# Altium PCB master.PcbDoc (part 7 of 10) (continued)
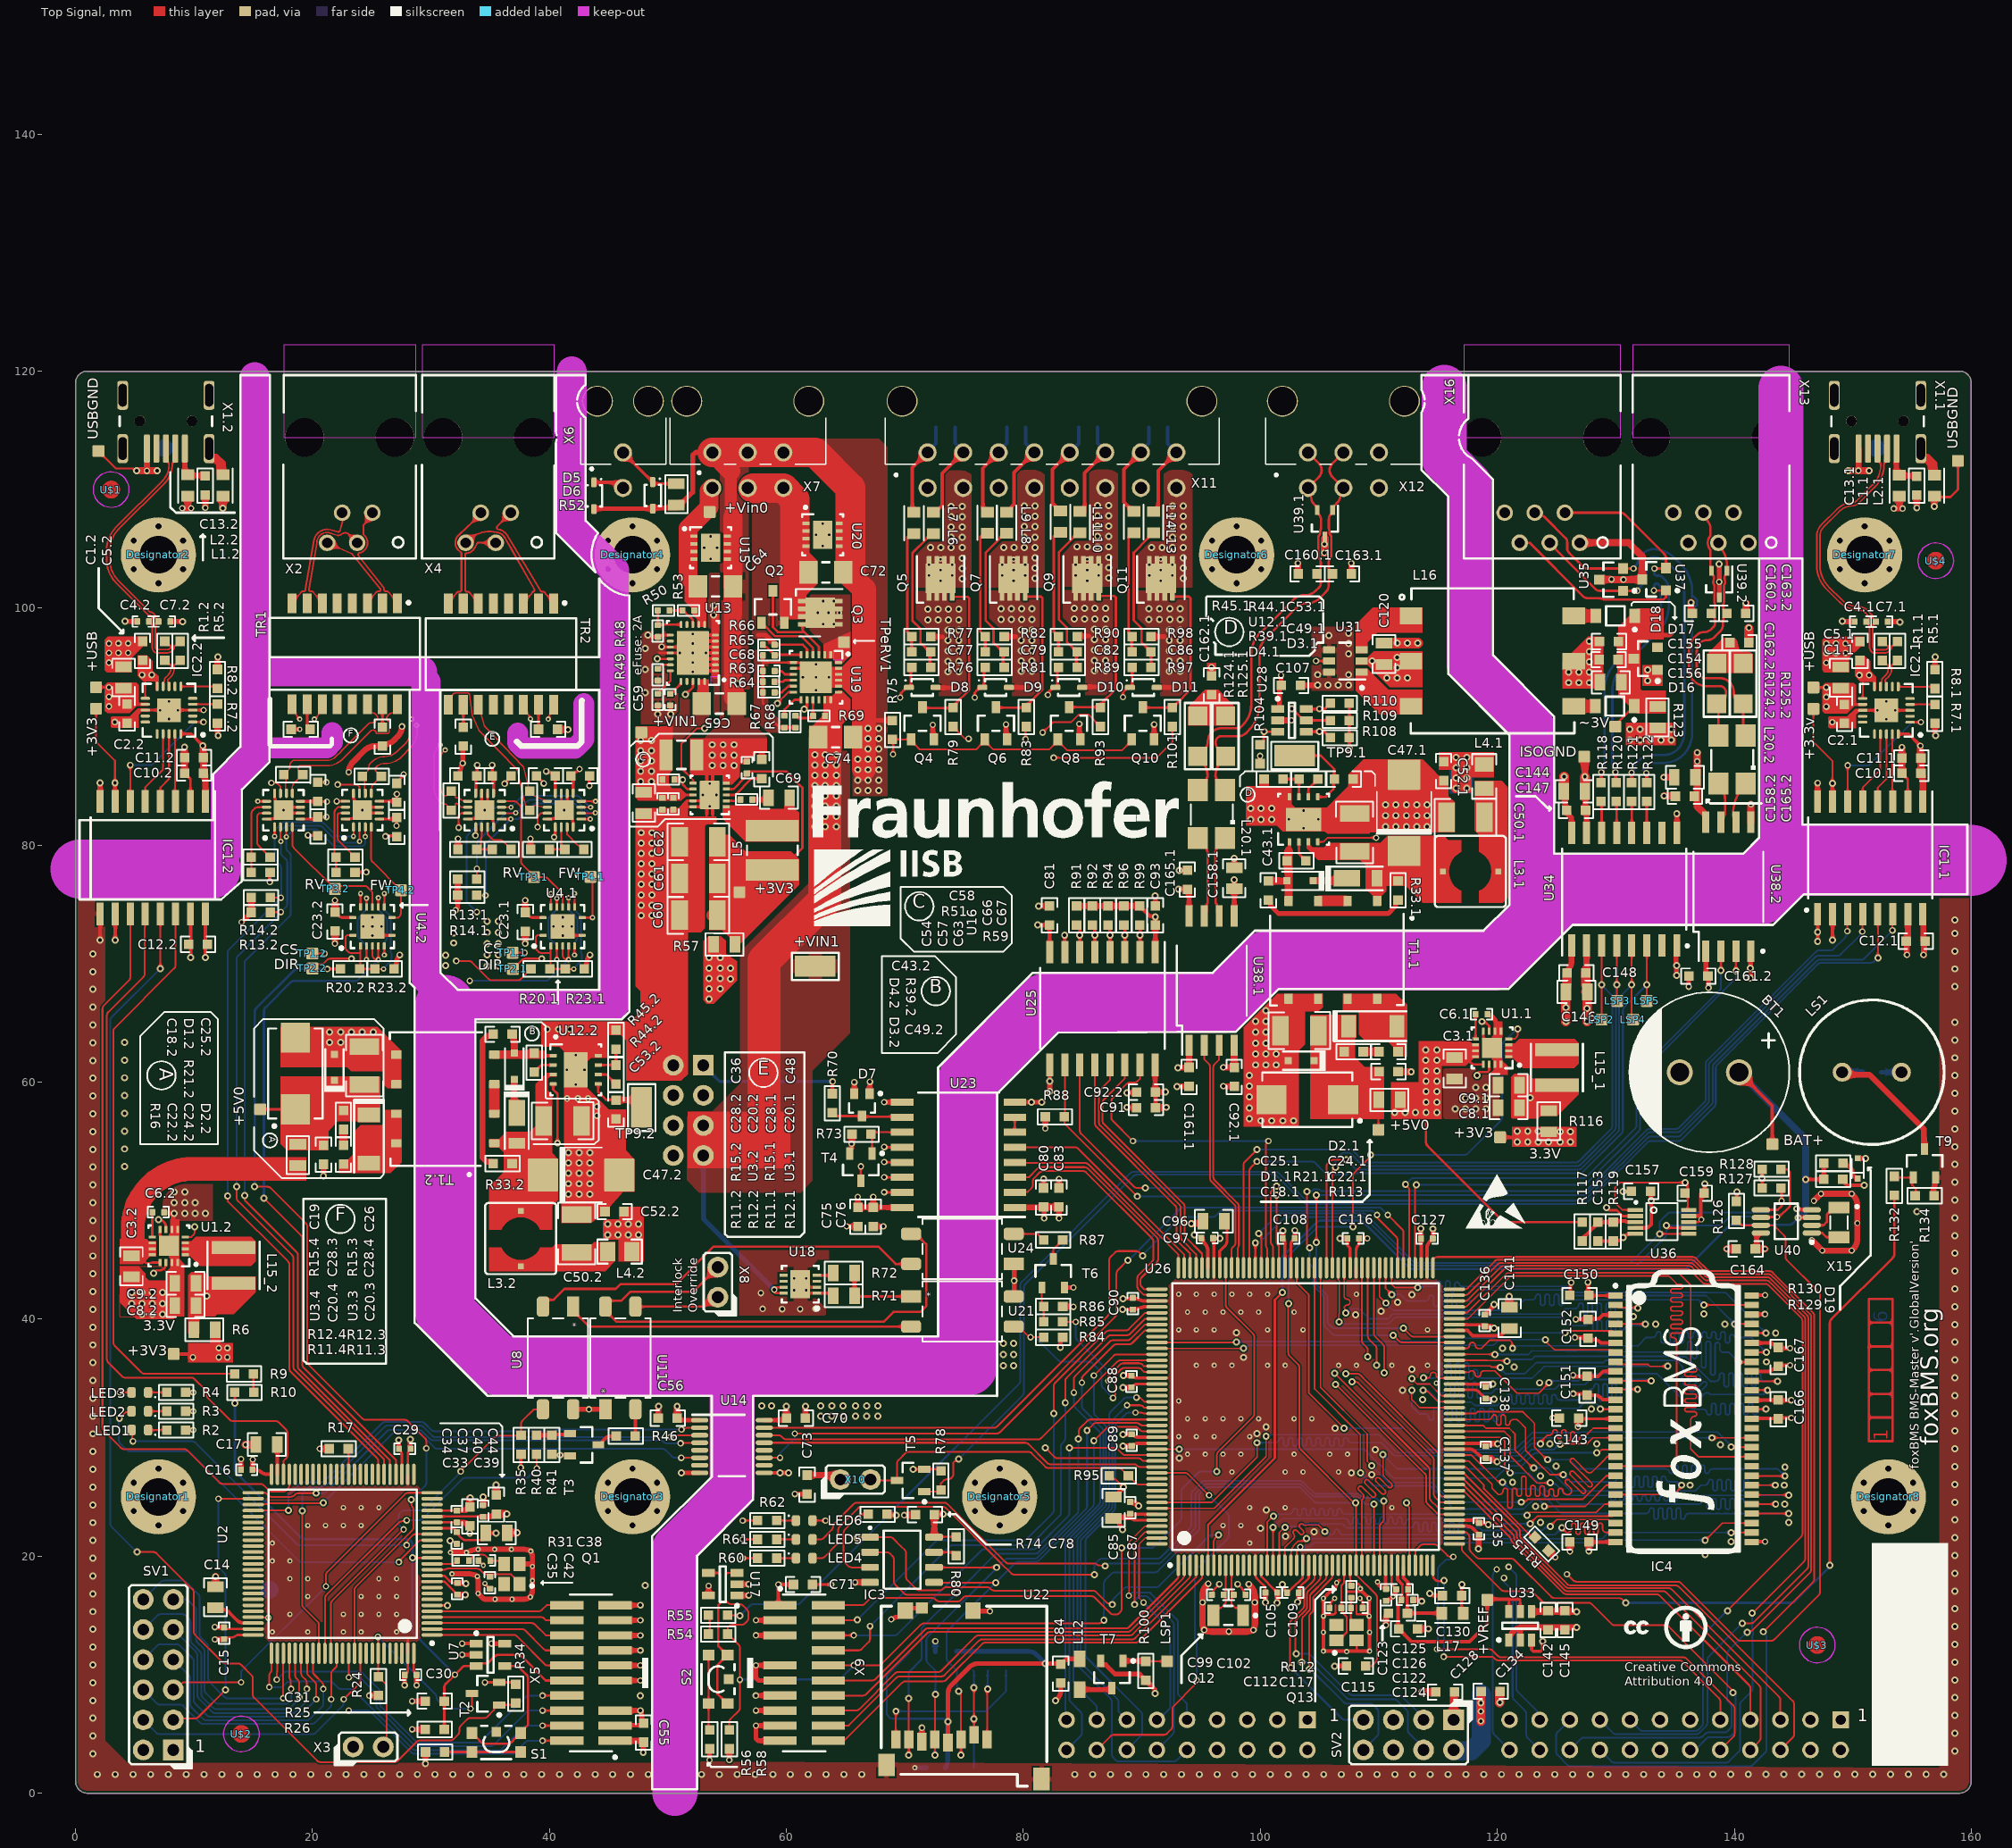
[diagram p0: Top Signal view]
## Nets (pads, with @x,y where several pads share a name; then routed paths per layer and width w, separated by ;. In a path a pad name is that pad's centre, name@x,y a point inside that pad or via, vN(x,y) a via of type N, cw(c..) or ccw(c..) an arc to the next point about the centre after c; other vN are vias at no path point) (continued)
  Top Signal w0.5: v2(37.955,71.697) C23.1.1@37.955,72.725 ; v1(61.593,32.65) 61.593,31.895 ccw(c62.843,31.895) 61.593,31.855 C70.1@61.6,31.646 ; v4(65.786,17.789) IC3.4@67.015,17.789 ; v4(69.931,23.462) C78.1@70.913,23.462 ; v1(88.75,59.1) cw(c88.968,57.869) 88.968,59.119 89.274,59.119 ccw(c89.274,60.369) 89.509,59.141 C92.2.1@89.55,59.15 ; C87.2@89.002,24.579 cw(c88.867,23.336) 89.7,24.268 89.711,24.258 v1(89.712,24.257) ; v1(92.966,59.625) cw(c93.138,58.387) 93.138,59.637 93.813,59.637 ccw(c93.813,60.887) 93.94,59.644 C161.1.1@93.983,59.648 ; v2@96.923,61.249 97.594,61.249 cw(c97.594,59.999) 97.742,61.24 97.793,61.234 C92.1.1@97.794,61.233 U38.1.4@97.794,63.115 ; v4(110.583,14.178) 110.583,14.656 cw(c111.833,14.656) 110.626,14.98 C122.2@110.636,15.017 ; C124.2@113.271,13.868 v4@114.173,13.868 ; v1(118.413,20.635) C135.2@118.413,21.61 ; C137.2@119.024,28.27 119.487,28.27 ; 119.487,28.269 ccw(c120.36,29.164) v1(119.967,27.978) ; U33.1@120.979,12.932 121.06,13.177 cw(c122.247,12.783) 121.929,13.992 ; U33.2@121.929,12.932 121.929,13.992 ; R115.1@124.313,20.468 v4(124.877,19.904) ; v4(124.668,31.664) C143.2@125.31,31.664 ; v4(126.132,20.4) C149.2@126.132,21.133 ; v1(126.676,13.992) 121.929,13.992 ; C148.2@127.531,69.288 U34.2@127.531,71.533 ; v7(146.546,46.666) v7(147.426,45.786) v7(149.906,45.786) 150.02,45.9 ccw(c149.136,46.784) 150.386,46.784 v7(150.386,48.106) 150.386,49.589 ccw(c149.136,49.589) 150.02,50.473 v7(149.906,50.586) 147.316,50.586 v7(146.71,49.981) ; C12.1.2@154.396,71.9 154.645,72.149 IC1.1.15@154.645,74.177 ; C12.1.2@154.505,71.9 C12.1.2@154.505,71.9 154.519,71.855 cw(c153.312,71.527) 154.562,71.527 v2(154.562,70.75) ; R134.1@156.789,50.445 156.789,50.65 cw(c158.039,50.65) 156.824,50.945 156.97,51.544 ccw(c155.755,51.84) 157.005,51.842 T9.S@157.005,51.955
  Top Signal w0.55: v2(95.598,17.672) 95.511,17.585 ccw(c96.483,16.613) 95.108,16.613 95.108,16.104 95.108,14.375 ccw(c96.483,14.375) v2(95.245,13.778) ccw(c95.842,15.016) 95.842,13.641 v2(97.341,13.641) 98.862,13.641 ccw(c98.862,15.016) 99.377,13.741 99.418,13.758 v2(99.419,13.759) 99.42,13.761 ccw(c98.162,14.316) 99.537,14.318 v2(99.537,16.104) 99.537,16.546 ccw(c98.162,16.546) 99.134,17.518 v2(99.018,17.635)
  Top Signal w0.6: v1(94.161,48.064) cw(c94.259,46.567) 94.259,48.067 94.428,48.067 ccw(c94.428,49.567) C96.2@95.163,48.26 ; 100.751,65.296 cw(c100.277,63.873) C25.1.2@101.701,64.346 ; C22.1.2@111.621,60.883 ccw(c111.766,62.376) 111.766,60.876 v1(112.73,60.876) ; v1(113.618,8.534) C128.2@114.87,8.534 ; C141.2@120.992,41.115 v1(120.992,41.924) ; v7(139.337,45.93) C164.2@140.162,45.93
  Top Signal w0.8: v1(120.204,7.651) C134.1@120.204,8.572 ; C146.2@127.472,67.618 127.567,67.713 127.575,67.705 v1(127.575,66.218) ; C146.2@127.472,68.212 C148.2@127.472,69.228 ; v1(127.567,65.112) 127.567,67.374 cw(c129.567,67.374) 127.575,67.551 C146.2@127.582,67.618 C146.2@127.582,67.618
  Inner Signal w0.4: v3(18.925,89.775) 21.937,89.775 cw(c21.936,88.775) 22.644,89.481 22.649,89.476 cw(c21.944,88.767) 22.652,89.473 24.645,87.48 ccw(c25.351,88.189) 25.351,87.189 29.408,87.189 cw(c29.407,86.189) 30.115,86.895 30.12,86.89 cw(c29.415,86.181) 30.123,86.887 30.27,86.74 ccw(c30.976,87.449) 30.976,86.449 31.761,86.449 ccw(c31.761,87.449) 32.468,86.741 32.486,86.76 cw(c33.194,86.053) v2(32.675,86.908)
  Bottom Signal w0.4: v3(70.831,2.141) C181.2@71.803,2.141 ; R142.1@72.565,11.946 v2(72.565,12.825)
  other v1: 52.843,1.575 54.343,1.575 55.843,1.575 57.343,1.575 58.843,1.575 60.343,1.575 61.843,1.575 63.343,1.575 64.843,1.575 66.343,1.575 84.343,1.575 85.843,1.575 87.343,1.575 88.843,1.575 90.343,1.575 91.843,1.575 93.343,1.575 94.843,1.575 96.343,1.575 97.843,1.575 99.343,1.575 100.843,1.575 102.343,1.575 103.843,1.575 105.343,1.575 106.843,1.575 108.343,1.575 109.843,1.575 111.343,1.575 112.843,1.575 114.343,1.575 115.843,1.575 117.343,1.575 118.843,1.575 120.343,1.575 121.843,1.575 123.343,1.575 124.843,1.575 126.343,1.575 127.843,1.575 129.343,1.575 130.843,1.575 132.343,1.575 133.843,1.575 135.343,1.575 136.843,1.575 138.183,1.6 139.683,1.6 141.183,1.6 142.683,1.6 144.183,1.6 145.683,1.6 147.183,1.6 148.683,1.6 150.183,1.6 151.683,1.6 153.183,1.6 154.683,1.6 156.183,1.6 157.683,1.6 158.6,3.558 158.6,5.058 158.6,6.558 158.6,8.058 158.6,9.558 158.6,11.058 158.6,12.558 158.6,14.058 158.6,15.558 100.432,16.104 113.618,16.195 158.6,17.058 158.6,18.558 158.6,20.058 137.528,20.139 139.725,21.239 158.6,21.558 102.125,21.675 104.54,22.065 100.025,22.366 123.655,22.839 144.577,22.839 158.6,23.058 100.501,23.888 123.22,24.198 144.239,24.396 158.6,24.558 136.272,25.994 144.222,25.993 158.6,26.058 121.285,26.228 123.65,26.759 109.379,26.889 60.175,27.031 107.68,27.017 144.272,27.516 158.6,27.558 124.964,27.612 93.142,28.284 109.703,28.981 158.6,29.058 138.816,29.413 124.426,29.476 128.394,29.476 99.72,30.334 158.6,30.558 106.316,30.796 100.482,30.912 62.889,31.82 63.843,31.82 64.785,31.82 65.816,31.829 66.77,31.829 67.712,31.829 158.6,32.058 127.92,32.402 57.9,32.675 58.76,32.675 62.889,32.68 63.843,32.68 64.785,32.68 65.816,32.689 66.77,32.689 67.712,32.689 113.697,33.22 158.6,33.558 111.999,34.014 123.55,34.625 158.6,35.058 112.793,35.765 121.412,35.964 78.295,36.061 79.155,36.061 142.697,36.396 158.6,36.558 98.582,36.772 78.295,37.003 79.155,37.003 120.451,37.542 78.295,37.957 79.155,37.957 158.6,38.058 143.482,38.828 97.993,38.862 158.6,39.558 133.371,39.596 139.213,39.596 131.496,40.224 108.03,40.357 137.436,40.447 110.185,40.686 158.6,41.058 111.577,41.44 112.774,42.078 158.6,42.558 158.6,44.058 158.6,45.558 158.6,47.058 158.6,48.558 155.422,49.065 145.263,49.321 158.6,50.058 158.6,51.558 158.6,53.058 158.6,54.558 158.6,56.058 100.043,56.745 100.962,56.745 101.88,56.745 102.799,56.745 99.072,56.912 158.6,57.558 116.428,57.729 117.302,57.729 118.175,57.729 119.049,57.729 99.072,57.83 80.686,58.315 117.302,58.648 118.175,58.648 119.049,58.648 99.072,58.749 158.6,59.058 118.175,59.566 119.049,59.566 99.072,59.667 158.6,60.558 99.072,60.586 99.586,61.456 100.459,61.456 101.332,61.456 158.6,62.058 99.586,62.375 100.459,62.375 101.332,62.375 99.586,63.293 100.459,63.293 158.6,63.558 99.586,64.212 100.459,64.212 158.6,65.058 99.586,65.13 100.459,65.13 100.459,66.049 158.6,68.058 158.6,69.558 141.362,69.628 34.727,69.812 35.675,69.812 31.225,69.834 31.225,70.694 34.727,70.756 35.675,70.756 158.6,71.058 34.727,71.699 35.675,71.699 31.916,71.744 158.6,72.558 31.916,72.604 34.727,72.643 35.675,72.643 147.025,72.675 34.727,73.587 35.675,73.587 158.6,73.686
  other v2: 71.431,5.525 95.123,16.104 60.7,25.25 83.113,37.609 84.224,41.039 84.224,42.67 83.005,51.828 81.705,51.836 88.725,57.875 96.875,61.249
  other v3: 107.283,11.949 105.308,13.577 99.1,21.1 96.85,22.6 98.35,22.6 99.1,24.1 102.1,24.1 111.1,24.1 97.6,27.1 102.1,27.1 103.6,27.1 106.6,27.1 93.85,28.6 95.35,28.6 96.85,28.6 98.35,28.6 102.85,28.6 105.85,28.6 107.35,28.6 93.1,30.1 94.6,30.1 96.1,30.1 99.1,30.1 93.85,31.6 95.35,31.6 96.85,31.6 98.35,31.6 99.85,31.6 102.85,31.6 104.35,31.6 93.1,33.1 114.85,34.6 94.6,36.1 96.1,36.1 97.6,36.1 100.6,36.1 102.1,36.1 106.6,36.1 108.1,36.1 111.1,36.1 114.1,36.1 93.1,39.1 94.6,39.1 96.1,39.1 100.6,39.1 103.6,39.1 114.1,39.1 93.85,40.6 95.35,40.6 96.85,40.6 98.35,40.6 99.85,40.6 102.85,40.6 93.1,42.1 94.6,42.1 96.1,42.1 97.6,42.1 99.1,42.1 100.6,42.1 108.1,42.1
  other v4: 114.198,13.868 144.704,36.11 102.897,47.499
  other v5: 41.115,72.36 40.34,73.135 41.89,73.135 41.115,73.91
  other v7: 147.32,50.586
GND_2: C3.2.2 C6.2.1 C8.2.2 C9.2.2 C12.2.2 C14.2 C15.2 C16.2 C17.2 C18.2.2 C20.3.1 C20.4.1 C22.2.2 C23.2.1 C25.2.2 C26.1 C28.3.1 C28.4.1 C29.2 C30.2 C31.2 C33.2 C34.2 C35.2 C37.2 C38.2 C39.2 C40.2 C42.1 C44.2 C48.1 C55.2 C56.2 D1.2.2 IC1.2.9 IC1.2.15 Q1.2 R2.1 R3.1 R4.2 R11.3.1 R11.4.1 R17.1 R24.1 R26.1 R35.1 R41.2 SV1.2 T1.2.5 T1.2.6 T3.S U1.2.5 U1.2.6 U1.2.8 U1.2.15 U1.2.16 U1.2.17 U2.10 U2.20 U2.27 U2.74 U2.99 U3.3.6 U3.3.7 U3.3.12 U3.3.13 U3.3.16 U3.3.17 U3.4.6 U3.4.7 U3.4.12 U3.4.13 U3.4.16 U3.4.17 U4.2.7 U4.2.15@25.056,73.135 U7.1 U7.2 U14.8 X5.3 X5.5 X5.9 X5.11 X5.13 X5.15 X5.17 X5.19 | length 133.3
  Top Signal w0.2: U1.2.8@7.128,47.585 7.128,46.935 U1.2.17@7.878,46.185 ; C15.2@12.552,14.013 12.566,14 ccw(c12.919,14.354) 12.919,13.854 U2.74@14.993,13.854 ; U2.27@28.043,26.904 28.043,28.586 cw(c28.543,28.586) 28.189,28.94 28.206,28.957 ccw(c27.853,29.31) C29.2@28.287,29.063 ; R26.1@29.521,3.451 R26.1@29.543,3.473 ; U2.10@30.092,17.854 ccw(c30.154,18.35) 30.154,17.85 31.15,17.85 32.25,16.75 C35.2@32.432,16.75 ; U2.20@30.092,22.854 32.083,22.854 cw(c32.083,22.354) 32.161,22.848 C34.2@32.185,22.844 ; v1(31.617,21.317) 31.636,21.298 ccw(c31.988,21.653) 31.878,21.165 31.987,21.141 cw(c31.876,20.653) 32.176,21.053 C33.2@32.185,21.046 ; C37.2@32.992,22.843 C37.2@33.284,22.551 v1(33.284,21.926) ; C38.2@34.015,19.628 C38.2@34.015,19.628 ccw(c34.445,19.883) 34.12,19.503 34.239,19.401 cw(c33.915,19.021) 34.241,19.399 cw(c33.917,19.019) 34.272,19.371 cw(c33.92,19.016) 34.274,19.369 34.379,19.264 cw(c34.026,18.91) 34.38,19.262 34.418,19.225 v3(34.42,19.223) ; v1@34.392,24.988 v1(34.402,24.999) ; v3@34.597,17.607 34.699,17.504 ccw(c35.053,17.858) 34.738,17.469 34.876,17.358 cw(c34.562,16.968) 34.878,17.356 cw(c34.564,16.967) 34.918,17.32 cw(c34.567,16.964) 34.921,17.317 C42.1@34.976,17.262 ; v1(35.476,25.998) v1@35.484,25.99
  Top Signal w0.203: C30.2@27.975,10.113 ccw(c27.535,10.366) 28.043,10.367 U2.99@28.043,11.804 28.043,12.903
  Top Signal w0.24: v5(25.056,73.135) 25.806,72.385 U4.2.7@26.706,72.385
  Top Signal w0.25: v3(15.387,83.693) cw(c15.479,83.075) 15.48,83.7 U3.4.13@16.125,83.7 ; U3.4.16@16.125,82.2 16.432,82.2 ccw(c16.432,82.825) 16.602,82.224 16.754,82.267 ccw(c16.584,82.868) 17.025,82.425 v5(17.55,82.95) ; U3.4.12@16.8,84.375 16.8,84.123 ccw(c17.425,84.123) 16.848,83.884 16.854,83.832 ccw(c17.474,83.91) 17.032,83.468 v5(17.55,82.95) ; U3.4.6@18.975,82.7 18.059,82.7 cw(c18.059,83.325) 17.617,82.883 v5(17.55,82.95) ; U3.4.7@18.975,83.2 18.059,83.2 ccw(c18.059,82.575) 17.616,83.016 v5(17.55,82.95) ; v2(19.617,80.827) cw(c19.697,80.208) 19.699,80.833 20.231,80.833 cw(c20.231,80.208) 20.421,80.803 20.449,80.794 C20.4.1@20.45,80.793 ; C28.3.1@20.45,85.293 20.451,85.293 cw(c20.543,84.675) 20.543,85.3 v2(21.179,85.3) ; v2(22.04,83.693) cw(c22.174,83.083) 22.174,83.708 U3.3.13@22.785,83.708 ; U3.3.16@22.785,82.208 23.034,82.208 ccw(c23.034,82.833) 23.173,82.223 23.39,82.273 ccw(c23.251,82.882) 23.693,82.44 U3.3.17@24.203,82.95 ; U3.3.12@23.46,84.383 23.46,83.979 23.51,83.929 23.51,83.643 U3.3.17@24.203,82.95 ; U3.3.17@24.263,82.89 U3.3.17@24.203,82.95 ; U3.3.17@24.263,82.89 ccw(c24.704,83.333) 24.704,82.708 U3.3.6@25.635,82.708 ; U3.3.7@25.635,83.208 24.706,83.208 ccw(c24.704,82.708) 24.582,83.193 24.567,83.189 ccw(c24.72,82.583) 24.277,83.024 U3.3.17@24.203,82.95 ; v2(26.164,80.742) cw(c26.412,80.168) 26.413,80.793 C20.3.1@27.103,80.793 ; C28.4.1@27.103,85.293 cw(c27.616,84.936) 27.174,85.378 27.561,85.765 ccw(c27.12,86.208) v2@27.7,85.974
  Top Signal w0.3: v1(2.079,71.999) IC1.2.9@2.079,74.193 ; IC1.2.15@9.699,74.193 IC1.2.15@9.699,74.193 9.707,74.161 cw(c8.974,74) 9.724,74 9.724,71.628 v1(9.724,70.51) ; v2(16.4,76.9) 16.4,77.508 cw(c17.15,77.508) 16.418,77.673 R11.4.1@16.424,77.699 ; R11.3.1@23.585,77.7 cw(c23.807,76.984) 23.808,77.734 v2(24.538,77.734) ; v2(32.625,11.675) U7.2@33.825,11.675 ; v2@32.675,12.625 U7.1@33.825,12.625 ; v2(37.575,27.468) 37.575,28.408 cw(c38.325,28.408) 37.593,28.573 R35.1@37.6,28.6 ; R41.2@40.206,28.6 ccw(c40.533,29.275) 40.533,28.525 v2(40.891,28.525) 41.398,28.525 cw(c41.398,27.775) 41.701,28.461 T3.S@41.725,28.45 ; T3.S@41.725,28.45 T3.S@41.725,28.45
  Top Signal w0.305: R2.1@9.29,30.643 v4(9.931,30.643) ; R3.1@9.29,32.23 v4(9.931,32.23) ; R4.2@9.29,33.818 v4(9.931,33.818)
  Top Signal w0.4: C6.2.1@7.484,49.022 7.605,49.022 cw(c7.605,48.022) 8.234,48.8 8.247,48.789 8.248,48.788 8.248,48.033 ; v4(11.759,14.013) C15.2@12.552,14.013 ; C16.2@13.96,27.327 v4(13.96,28.192) ; v4(27.781,9.111) C30.2@27.781,9.988 ; v1(28.25,29.85) 28.25,29.332 ccw(c29.25,29.332) C29.2@28.287,29.063 ; v4(28.416,7.765) C31.2@29.471,7.765 ; v1(29.521,2.486) R26.1@29.521,3.451 ; C34.2@32.186,22.843 C37.2@32.992,22.843 ; X5.5@45.535,6.97 v4(47.675,6.97) v4(47.675,6.97) 47.69,6.942 cw(c46.798,6.489) 47.798,6.489 47.798,6.367 ccw(c48.798,6.367) 47.954,5.83 47.867,5.743 46.332,5.743 46.31,5.742 ccw(c46.355,4.743) X5.3@46.065,5.7 ; X5.9@45.535,9.51 v4(47.675,9.51) ; X5.11@45.535,10.78 v4(47.675,10.78) ; X5.13@45.535,12.05 v4(47.675,12.05) ; X5.15@45.535,13.32 v4(47.675,13.32) ; X5.17@45.535,14.59 v4(47.675,14.59) ; X5.19@45.535,15.86 v4(47.675,15.86) ; v1(51.124,27.029) cw(c51.214,26.033) 51.214,27.033 U14.8@52.665,27.033
  Top Signal w0.45: v3(31.634,20.308) v3(32.994,20.308) ccw(c32.576,21.352) 33.012,20.315 33.405,20.481 cw(c33.843,19.445) 33.844,20.57 v3(33.972,20.57) v3(36.79,20.57) 37.86,20.57 cw(c37.86,19.445) 38.382,20.441 38.415,20.424 v3(38.417,20.422) 38.419,20.42 38.436,20.387 cw(c37.44,19.864) 38.565,19.864 v3(38.565,19.134) v3(38.565,17.933) 38.565,17.166 cw(c37.44,17.163) v3(38.382,16.548) 38.381,16.547 38.356,16.532 cw(c37.767,17.49) 37.767,16.365 34.562,16.365 cw(c34.763,17.075) 34.387,16.44 v3(33.972,16.855) 33.972,17.942 ccw(c32.848,17.942) 33.93,18.248 33.917,18.295 v3(33.915,18.296) 33.913,18.298 33.887,18.315 ccw(c33.27,17.375) 33.27,18.5 v3(31.775,18.5) ; Q1.2@37.473,19.344 v3@38.528,19.344
  Top Signal w0.5: C14.2@11.811,17.433 C14.2@11.811,17.558 ; v4(20.61,29.063) R17.1@21.182,29.063 ; v2(20.925,52.075) C22.2.2@20.925,53.073 ; v2(21.896,71.697) C23.2.1@21.896,72.725 ; v2@23.035,86.125 v2(23.062,86.152) cw(c24.311,86.146) 23.428,87.03 24.389,87.991 cw(c25.273,87.107) 25.273,88.357 C26.1@25.903,88.357 cw(c26.497,87.257) 26.037,88.42 26.478,88.596 ccw(c26.013,89.757) 26.897,88.873 27.187,89.163 ccw(c26.303,90.047) 27.553,90.01 v2(27.553,90.014) ; v4(24.804,8.241) R24.1@25.6,8.241 ; C35.2@32.225,16.75 v1@32.908,16.75 ; C48.1@40.675,89.756 v2(41.575,89.756) ; C56.2@49.175,31.646 49.175,31.649 ccw(c47.937,31.823) 49.187,31.825 49.187,32.474 cw(c50.437,32.474) 49.195,32.606 v1(49.2,32.65)
  Top Signal w0.6: C14.2@11.811,17.558 v4@11.811,18.279 ; C25.2.2@24.389,62.993 ccw(c23.915,64.417) 25.339,63.943 ; C40.2@34.392,24.333 v1@34.392,24.988 ; C44.2@35.484,25.179 v1@35.484,25.99 ; C39.2@36.435,21.979 v1(37.269,21.979)
  Top Signal w0.7: v4(14.35,29.4) 14.924,29.4 ccw(c14.924,31.15) 15.176,29.419 15.233,29.427 C17.2@15.234,29.428
  Inner Signal w0.5: v2(27.553,90.014) ccw(c26.317,90.201) 27.567,90.204 27.567,90.736 cw(c28.817,90.736) 28.817,91.986 35.928,91.986 cw(c35.927,90.736) 36.539,91.826 36.839,91.658 ccw(c37.448,92.75) 37.448,91.5 40.32,91.5 cw(c40.319,90.25) 41.569,90.253 41.569,89.879 ccw(c42.819,89.879) v2(41.575,89.756)
  other v1: 1.843,1.575 3.343,1.575 4.843,1.575 6.343,1.575 7.843,1.575 9.343,1.575 10.843,1.575 12.343,1.575 13.843,1.575 15.343,1.575 16.843,1.575 18.343,1.575 19.843,1.575 21.343,1.575 22.843,1.575 24.343,1.575 25.843,1.575 27.343,1.575 28.843,1.575 30.343,1.575 31.843,1.575 33.343,1.575 34.843,1.575 36.343,1.575 37.843,1.575 39.343,1.575 40.843,1.575 42.343,1.575 43.843,1.575 45.343,1.575 46.843,1.575 48.343,1.575 1.473,3.327 1.473,4.827 1.473,6.327 1.473,7.827 47.675,8.24 1.473,9.327 1.473,10.827 1.473,12.327 1.473,13.827 1.473,15.327 32.911,16.747 1.473,16.827 48.068,17.533 1.473,18.327 1.473,19.827 1.473,21.327 1.473,22.827 1.473,24.327 1.473,25.827 1.473,27.327 1.473,28.827 1.473,30.327 1.473,31.827 1.473,33.327 1.473,34.827 1.473,36.327 1.473,37.827 1.473,39.327 5.604,40.411 6.477,40.411 7.35,40.411 1.473,40.827 4.73,41.33 5.604,41.33 6.477,41.33 7.35,41.33 4.73,42.248 5.604,42.248 6.477,42.248 7.35,42.248 1.473,42.327 1.473,43.827 1.473,45.327 1.473,46.827 1.473,48.327 8.337,48.909 9.211,48.909 10.084,48.909 10.957,48.909 1.473,49.827 8.337,49.827 9.211,49.827 10.084,49.827 8.337,50.746 9.211,50.746 1.473,51.327 1.473,52.827 4.153,52.871 1.473,54.327 4.153,54.37 1.473,55.827 4.153,55.868 1.473,57.327 4.153,57.367 1.473,58.827 4.153,58.866 1.473,60.327 4.153,60.364 1.473,61.827 4.153,61.863 1.473,63.327 4.153,63.361 21.448,63.361 22.367,63.361 21.448,64.235 22.367,64.235 23.285,64.235 24.203,64.235 25.122,64.235 1.473,64.827 1.473,66.327 1.473,67.827 1.473,69.327 1.473,70.827
  other v2: 32.625,12.625 27.7,85.975
  other v3: 16.6,13.6 19.6,13.6 22.6,13.6 24.1,13.6 27.1,13.6 18.1,15.1 22.6,15.1 24.1,15.1 25.6,15.1 27.1,15.1 35.411,16.365 36.84,16.365 19.6,16.6 24.1,16.6 25.6,16.6 27.1,16.6 34.546,17.696 18.1,18.1 19.6,18.1 25.6,18.1 27.1,18.1 16.6,19.6 18.1,19.6 35.368,20.57 16.6,21.1 19.6,22.6 21.1,22.6 22.6,22.6 24.1,22.6 22.6,24.1 24.1,24.1 25.6,24.1
  other v4: 11.811,18.279
  other v5: 25.056,72.36 24.281,73.135 25.831,73.135 25.056,73.91 24.21,82.958
GND_COM: C144.2 C147.2 C154.1 C155.1 C156.1 C158.2.2 C160.2.2 C162.2.2 C163.2.2 C165.2.1 D18.1 ISOGND.1 L16.5 U34.9 U34.15 U35.3 U37.3 U38.2.5 U39.2.3 X13.2 X16.1 | length 39.3
  Top Signal w0.4: C144.2@127.187,84.538 C144.2@127.239,84.486 ; C147.2@127.239,82.938 127.531,82.646 U34.15@127.531,81.033 ; C144.2@127.39,84.538 127.416,84.512 127.416,82.964 C147.2@127.442,82.938 ; U34.9@135.151,81.033 v1(135.151,82.646) ; U39.2.3@138.725,100.9 v1(138.725,103.725)
  Top Signal w0.5: L16.5@126.449,95.538 L16.5@126.699,95.538 ; C156.1@128.611,93.868 C156.1@128.611,94.027 ; C155.1@128.612,97.189 C155.1@128.595,97.172 ; C156.1@128.667,93.738 C156.1@128.667,94.174 ; C156.1@128.811,94.318 C156.1@128.667,94.174 ; v1@132.666,94.776 v1(132.675,94.785) D18.1@133.518,94.785 ; L16.5@126.699,95.538 127.149,95.088 127.149,94.838 127.76,94.227 128.411,94.227 C156.1@128.611,94.027 ; L16.5@126.699,95.538 127.149,95.988 127.149,96.238 127.951,97.039 128.462,97.039 C155.1@128.595,97.172 ; C155.1@128.595,97.172 C154.1@128.595,95.654 128.667,95.582 C156.1@128.667,94.174 ; C156.1@128.611,94.027 128.611,94.118 C156.1@128.667,94.174
  Top Signal w0.6: X16.1@126.966,105.512 131.082,105.512 132.225,104.369 U37.3@132.225,102.425 132.212,102.413 v2(130.638,102.413) 128.612,102.413 U35.3@128.6,102.4 ; ISOGND.1@127.325,87.475 127.39,87.41 v1(127.39,85.796) ; v2(134.036,85.725) C158.2.2@134.925,85.725 ; v2(134.069,84.15) 134.962,84.15 cw(c134.962,84.061) C165.2.1@135.025,84.124 ; v2(136.35,100.471) 136.35,100.089 ccw(c137.85,100.089) C160.2.2@136.45,99.55 ; v2(140.959,100.431) 140.959,99.55 C163.2.2@140.963,99.55 ; v2@141.397,83.45 141.407,83.441 U38.2.5@141.407,81.933
  Top Signal w0.8: C144.2@127.39,84.538 v1(127.39,85.796) ; C162.2.2@141.224,97.085 v2@141.224,98.275
  other v1: 126.018,93.714 126.892,93.714 127.765,93.714 132.675,93.867 133.549,93.867 126.018,94.588 126.892,94.588 127.765,94.588 127.765,95.461 127.765,96.334 127.765,97.208
  other v2: 141.402,83.445 141.224,98.346 138.725,102.217 129.638,102.425
GPIO.RTC_INT#: R126.1 U26.40 U40.7 | length 84
  Top Signal w0.152: v1(112.332,24.517) ccw(c112.711,24.555) 112.441,24.286 112.461,24.267 cw(c112.191,23.997) 112.572,23.997 U26.40@112.572,19.234 ; v2(125.879,18.475) 126.393,17.961 ccw(c126.661,18.23) 126.661,17.85 135.229,17.85 cw(c135.229,17.47) 135.498,17.738 cw(c135.232,17.466) 135.501,17.735 140.275,12.961 ccw(c140.543,13.23) 140.543,12.85 143.093,12.85 ccw(c143.093,13.23) 143.361,12.961 147.138,16.738 ccw(c146.869,17.006) 147.249,17.006 147.249,42.019 ccw(c146.869,42.019) 147.138,42.287 ccw(c146.867,42.021) 147.136,42.289 ccw(c146.865,42.023) 147.133,42.292 144.436,44.989 cw(c144.705,45.257) 144.325,45.257 144.325,46.772 ccw(c143.945,46.772) 144.214,47.04 ccw(c143.943,46.774) 144.212,47.042 ccw(c143.941,46.776) 144.209,47.045 143.446,47.808 ccw(c143.177,47.54) 143.444,47.81 143.442,47.812 ccw(c143.173,47.544) 143.173,47.924 U40.7@142.24,47.924
  Top Signal w0.2: R126.1@140.179,48.342 140.451,48.069 ccw(c140.804,48.424) 140.804,47.924 U40.7@142.24,47.924
  Inner Signal w0.2: v1(112.332,24.517) 114.97,21.879 ccw(c115.322,22.233) 115.322,21.733 116.103,21.733 cw(c116.103,21.233) 116.457,21.586 118.354,19.689 cw(c118,19.336) 118.5,19.336 118.5,18.51 ccw(c119,18.51) 118.646,18.156 119.232,17.571 ccw(c119.585,17.925) 119.585,17.425 124.589,17.425 ccw(c124.589,17.925) 124.942,17.571 v2@125.846,18.475
GPIO_MCU_1_0: SV1.7 U2.83 | length 21.2
  Top Signal w0.152: U2.83@20.042,11.604 20.042,10.264 ccw(c20.423,10.264) 20.154,9.995 20.802,9.347 cw(c20.535,9.075) 20.916,9.075 v4(20.916,8.8)
  Bottom Signal w0.152: SV1.7@8.255,11.27 cw(c8.046,10.951) 8.318,11.218 9.561,9.975 cw(c9.294,9.704) 9.675,9.704 9.675,7.517 ccw(c10.056,7.517) 9.786,7.247 10.785,6.249 ccw(c11.054,6.519) 11.054,6.138 19.487,6.138 ccw(c19.487,6.519) 19.757,6.249 20.804,7.297 ccw(c20.535,7.566) 20.916,7.566 v4(20.916,8.8)
GPIO_MCU_1_1: SV1.8 U2.82 | length 24.3
  Top Signal w0.152: U2.82@19.543,11.604 19.543,10.199 ccw(c19.924,10.199) 19.654,9.929 20.206,9.377 cw(c19.939,9.106) 20.32,9.106 v4(20.32,7.924)
  Bottom Signal w0.152: SV1.8@5.715,11.27 6.903,12.458 cw(c7.172,12.189) 7.172,12.57 8.534,12.57 cw(c8.533,12.189) 8.806,12.455 9.869,11.392 cw(c9.601,11.12) 9.982,11.122 9.982,7.833 ccw(c10.363,7.833) 10.094,7.564 11.092,6.565 ccw(c11.361,6.835) 11.361,6.454 18.692,6.454 ccw(c18.692,6.835) 18.962,6.565 v4(20.32,7.924)
GPIO_MCU_1_2: SV1.9 U2.81 | length 20.9
  Top Signal w0.152: U2.81@19.042,11.804 19.042,10.111 ccw(c19.423,10.111) 19.154,9.842 19.412,9.584 cw(c19.143,9.314) 19.414,9.582 cw(c19.145,9.312) 19.526,9.312 v4(19.526,8.8)
  Bottom Signal w0.152: SV1.9@8.255,13.81 10.178,11.887 ccw(c10.447,12.157) 10.18,11.885 cw(c9.913,11.613) 10.294,11.614 10.294,8.261 ccw(c10.675,8.261) 10.406,7.992 11.535,6.863 ccw(c11.804,7.132) 11.804,6.751 18.344,6.751 ccw(c18.344,7.132) 18.613,6.863 19.415,7.665 ccw(c19.145,7.934) 19.526,7.934 v4(19.526,8.8)
GPIO_MCU_1_3: SV1.10 U2.80 | length 24.2
  Top Signal w0.152: U2.80@18.543,11.604 18.543,9.94 ccw(c18.924,9.94) 18.654,9.671 18.777,9.548 cw(c18.51,9.276) 18.891,9.276 v4(18.891,8.083)
  Bottom Signal w0.152: SV1.10@5.715,13.81 6.897,14.992 cw(c7.167,14.723) 7.167,15.104 9.032,15.104 cw(c9.032,14.723) 9.303,14.991 cw(c9.034,14.721) 9.305,14.989 9.585,14.709 cw(c9.317,14.438) 9.698,14.438 9.698,12.919 ccw(c10.079,12.919) 9.81,12.65 10.504,11.956 cw(c10.237,11.684) 10.618,11.684 10.618,8.364 ccw(c10.999,8.364) 10.729,8.094 11.627,7.197 ccw(c11.896,7.466) 11.896,7.085 17.827,7.085 ccw(c17.827,7.466) 18.097,7.197 18.787,7.887 ccw(c18.517,8.156) v4@18.891,8.082
GPIO_MCU_1_4: SV1.11 U2.79 | length 21.3
  Top Signal w0.152: U2.79@18.042,11.804 18.042,9.861 ccw(c18.423,9.861) 18.078,9.7 18.134,9.582 cw(c17.789,9.42) 18.135,9.578 cw(c17.79,9.417) 18.171,9.418 18.171,8.926 ccw(c18.552,8.926) v4(18.192,8.8)
  Bottom Signal w0.152: SV1.11@8.255,16.35 9.426,16.35 10.058,15.718 cw(c9.791,15.446) 10.172,15.446 10.172,12.997 ccw(c10.553,12.997) 10.284,12.728 10.782,12.229 cw(c10.515,11.957) 10.896,11.958 10.896,8.7 ccw(c11.277,8.7) 11.008,8.431 11.788,7.65 ccw(c12.058,7.92) 12.058,7.539 17.706,7.539 ccw(c17.706,7.92) 17.975,7.65 18.081,7.756 ccw(c17.811,8.025) 18.192,8.025 v4(18.192,8.8)
GPIO_MCU_1_5: SV1.12 U2.78 | length 23.8
  Top Signal w0.152: v4(17.525,8.017) 17.525,11.49 cw(c17.906,11.49) 17.537,11.583 U2.78@17.542,11.603
  Bottom Signal w0.152: SV1.12@5.715,16.35 7.185,17.82 cw(c7.455,17.551) 7.455,17.932 9.074,17.932 cw(c9.074,17.551) 9.346,17.818 10.352,16.812 cw(c10.084,16.541) 10.465,16.541 10.465,13.396 ccw(c10.846,13.396) 10.576,13.126 11.09,12.613 cw(c10.823,12.341) 11.204,12.341 11.204,9.645 ccw(c11.585,9.645) 11.315,9.376 12.582,8.108 ccw(c12.852,8.378) 12.852,7.997 17.402,7.997 ccw(c17.402,8.378) 17.505,8.011 v4@17.524,8.016
HSE_1_MCU_0: C112.2 Q13.1 U26.29 | length 7.1
  Top Signal w0.152: Q13.1@106.424,12.893 106.824,13.293 107,13.293 107.283,13.577 107.283,14.863 106.932,15.214 106.932,15.541 106.839,15.634 106.839,17.531 107.072,17.764 U26.29@107.072,19.234
HSE_1_MCU_1: C42.2 Q1.1 U2.12 | length 8
  Top Signal w0.152: U2.12@30.092,18.854 31.179,18.854 cw(c31.432,18.569) 31.432,18.95 33.886,18.95 cw(c33.886,18.569) 34.157,18.836 34.412,18.582 ccw(c34.681,18.852) 34.681,18.471 34.976,18.471 36.597,18.471 cw(c36.597,18.09) 36.62,18.47 36.764,18.461 37.049,18.177 37.049,18.068 Q1.1@37.473,17.644
HSE_2_MCU_0: R112.1 U26.30 | length 1.8
  Top Signal w0.152: U26.30@107.56,19.221 U26.30@107.573,19.234 107.573,17.588 R112.1@107.681,17.48
HSE_2_MCU_1: R31.1 U2.13 | length 2.2
  Top Signal w0.152: U2.13@30.092,19.354 31.775,19.354 ccw(c31.775,19.735) 31.977,19.412 32.028,19.444 ccw(c31.826,19.767) 32.095,19.498 32.132,19.534 ccw(c31.863,19.804) R31.1@32.201,19.628
I2C3.SCL: R128.1 U26.119 U36.7 U40.6 | length 59.5
  Top Signal w0.2: U26.119@99.573,44.334 99.573,45.335 99.577,45.34 v1(99.577,46.438) ; v1(134.255,47.891) 134.255,47.764 134.317,47.702 U36.7@136.147,47.702 ; U40.6@142.24,48.574 142.291,48.625 v7(143.606,48.625) 143.682,48.625 143.733,48.574 144.697,49.538 144.697,52.393 144.442,52.648 R128.1@143.946,52.648
  Bottom Signal w0.152: v1(99.577,46.438) 99.635,46.496 99.962,46.496 101.994,48.528 cw(c102.263,48.26) 102.263,48.64 108.579,48.64 cw(c108.579,48.26) 108.847,48.529 112.766,44.61 ccw(c113.034,44.879) 113.034,44.499 131.573,44.499 ccw(c131.573,44.879) 131.842,44.61 133.865,46.634 cw(c134.134,46.365) 133.88,46.648 133.943,46.704 ccw(c133.689,46.987) 133.958,46.718 134.144,46.904 ccw(c133.875,47.173) 134.255,47.173 v1(134.255,47.891) 138.672,47.891 ccw(c138.672,48.271) 138.941,48.002 139.477,48.538 cw(c139.746,48.27) 139.746,48.65 v7@143.606,48.65